# Altium PCB Thunderscope_Rev4.1.PCBDOC (part 7 of 7)
Units mm, origin at the board's own origin, x right, y up, seen from the top; angles counter-clockwise.
Board outline 119 x 103.6 mm, 6 copper layers (Top Layer, Int1 (GND), Int2 (Sign), Int3 (Sign), Int4 (GND), Bottom Layer), stack 1.49 mm thick; 657 components, 383 nets, 2206 pads, 1358 vias.
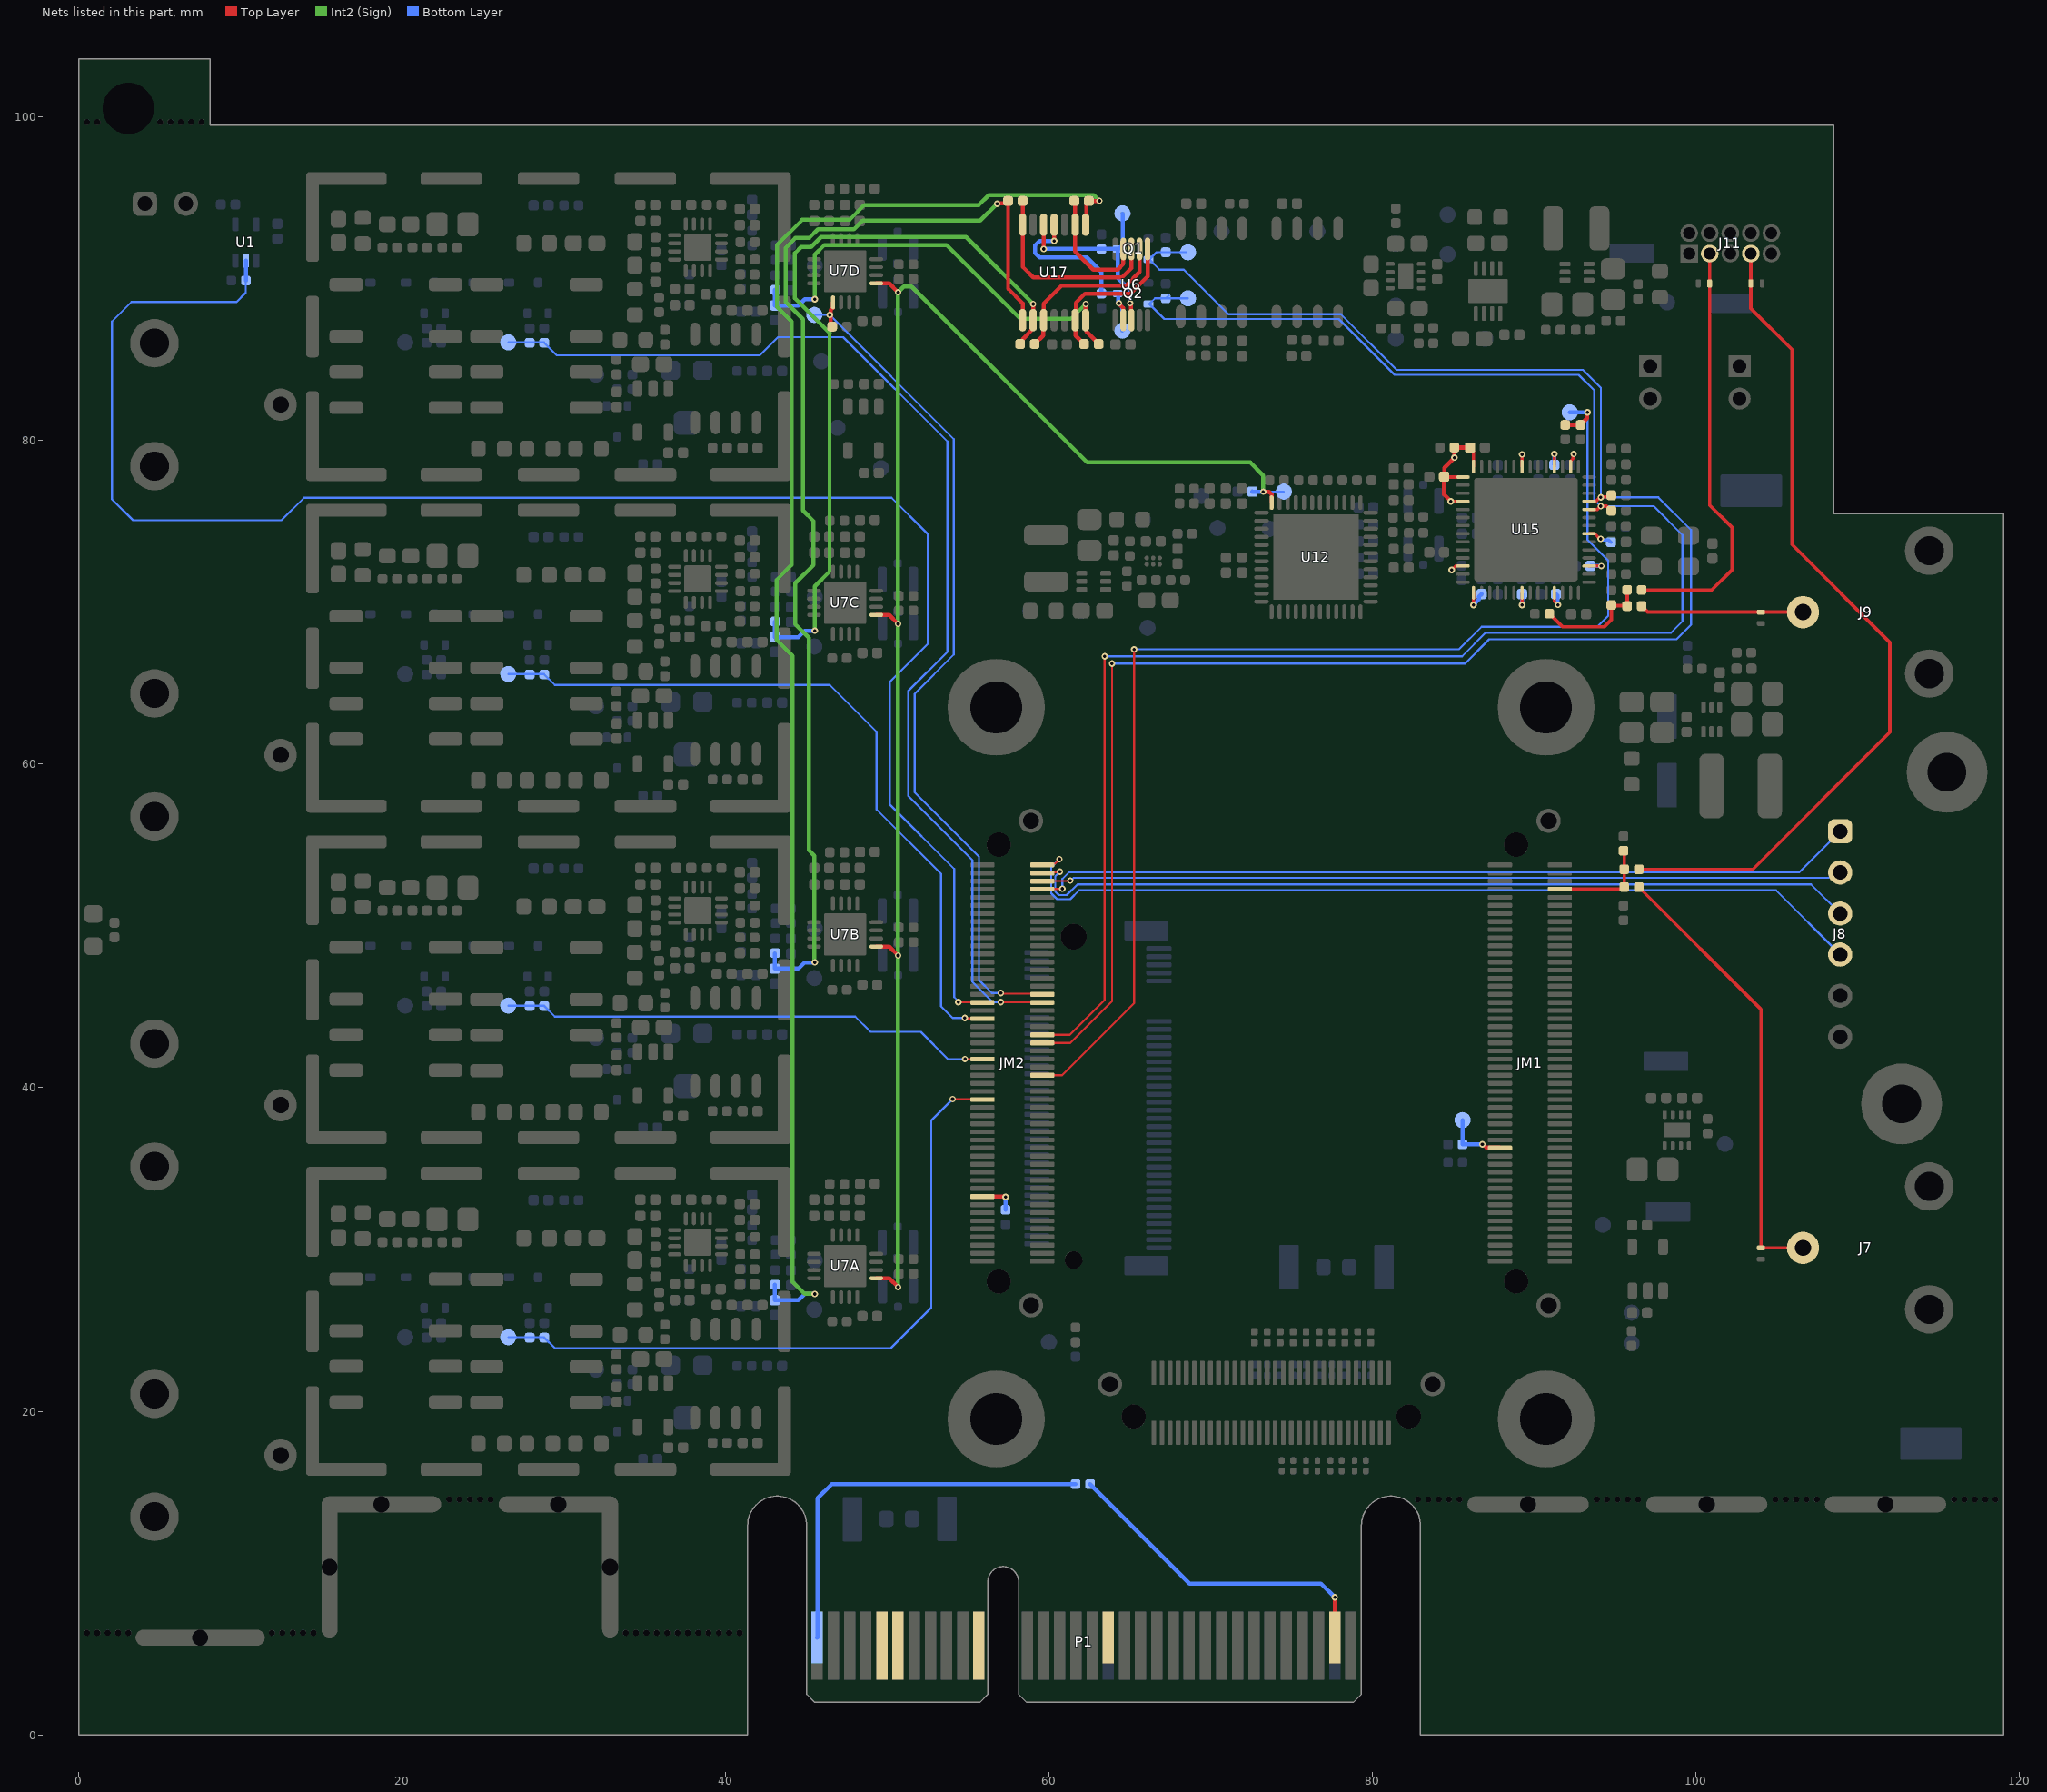
[diagram p11: the nets of this part, all layers, seen from the top]

## Via types
v1: diameter 0.406, hole 0.203, Top Layer to Bottom Layer, tented both sides, 1358 vias

## Nets (pads, with @x,y where several pads share a name; then routed paths per layer and width w, separated by ;. In a path a pad name is that pad's centre, name@x,y a point inside that pad or via, vN(x,y) a via of type N, cw(c..) or ccw(c..) an arc to the next point about the centre after c; other vN are vias at no path point) (continued)
PGA_CSn_4: JM2.68 R51D.1 TP24D.1 U7D.9 | length 53.8
  Top Layer w0.127: v1(57,45.85) 57.04,45.81 59.527,45.81 JM2.68@59.565,45.773
  Top Layer w0.25: v1(46.425,87.775) 46.488,87.712 46.488,87.162 R51D.1@46.6,87.05 ; v1@46.442,87.775 46.488,87.821 46.488,88.08 46.625,88.217 U7D.9@46.625,88.55
  Bottom Layer w0.127: TP24D.1@45.475,87.775 v1(46.425,87.775) 54.1,80.1 54.1,66.775 51.675,64.35 51.675,58.25 55.65,54.275 55.65,46.65 56.45,45.85 v1(57,45.85)
PGOOD: JM1.29 R101.1 TP2.1 | length 3.9
  Top Layer w0.254: v1(86.775,36.5) 86.816,36.5 87.023,36.294 87.844,36.294 JM1.29@87.867,36.271
  Bottom Layer w0.254: TP2.1@85.55,38 R101.1@85.55,36.5 v1(86.775,36.5)
PLL_RSTn: JM2.48 R28.2 R89.1 TP44.1 | length 75.7
  Top Layer w0.127: JM2.48@59.567,40.771 60.796,40.771 65.25,45.225 v1(65.25,67.1)
  Top Layer w0.254: R89.1@91.9,80.975 R28.2@92.85,80.975 92.85,80.987 93.246,81.383 93.246,81.721 v1(93.275,81.75)
  Bottom Layer w0.127: v1(65.25,67.1) 85.325,67.1 86.725,68.5 93.875,68.5 94.55,69.175 94.55,72.6 93.275,73.875 v1(93.275,81.75)
  Bottom Layer w0.254: TP44.1@92.175,81.75 v1(93.275,81.75)
PROBE_COMP: JM2.65 R2.2 U1.2 | length 107.6
  Top Layer w0.127: v1(54.375,45.3) 54.39,45.285 JM2.65@55.877,45.285
  Bottom Layer w0.127: R2.2@10.325,89.9 10.325,89.15 9.75,88.575 3.25,88.575 2.05,87.375 2.05,76.375 3.35,75.075 12.525,75.075 13.925,76.475 50.244,76.475 52.475,74.244 52.475,67.425 50.15,65.1 50.15,57.5 54.125,53.525 54.125,45.607 54.375,45.357 v1(54.375,45.3)
  Bottom Layer w0.254: R2.2@10.325,89.9 U1.2@10.325,91.125
PRSNT1#: P1.A1 R86.1 | length 25
  Bottom Layer w0.254: P1.A1@45.637,6.012 P1.A1@45.65,6 45.675,6.025 45.675,14.625 46.55,15.5 R86.1@61.625,15.5
PRSNT2#_1: P1.B17
PRSNT2#_4: P1.B31 R86.2 | length 20.5
  Top Layer w0.254: P1.B31@77.65,6 v1(77.65,8.5)
  Bottom Layer w0.254: R86.2@62.525,15.5 68.675,9.35 76.8,9.35 v1(77.65,8.5)
REFINOUT: C96.2 R88.2 R106.2 R107.2 | length 7.2
  Top Layer w0.213: R88.2@90.925,69.3 91.725,68.5 94.325,68.5 94.75,68.925 94.75,69.84 94.783,69.808 95.693,69.808 R106.2@95.725,69.775 R107.2@95.725,70.775
REFINOUT1: D5.1 J9.1 R106.1 | length 10.1
  Top Layer w0.213: R106.1@96.625,69.775 97,69.4 J9.1@106.6,69.4
REFINOUT2: D6.1 J11.3 R107.1 | length 26
  Top Layer w0.213: R107.1@96.625,70.775 100.975,70.775 102.225,72.025 102.225,74.625 100.835,76.015 100.835,89.725 J11.3@100.835,91.33
RESIN: JM2.17 R66.1 | length 2.2
  Top Layer w0.254: JM2.17@55.867,33.271 57.279,33.271 v1(57.3,33.25)
  Bottom Layer w0.254: R66.1@57.3,32.45 v1(57.3,33.25)
SCL: JM2.58 Q2.3 R21.1 R90.1 TP43.1 U15.24 | length 115.2
  Top Layer w0.127: JM2.58@59.567,43.271 61.271,43.271 63.425,45.425 v1(63.425,66.675)
  Top Layer w0.2: U15.24@93.375,75.75 93.88,75.75 94.08,75.95 v1(94.1,75.95) 94.448,75.95 94.723,75.675 R90.1@94.75,75.675
  Bottom Layer w0.127: v1(63.425,66.675) 85.525,66.675 86.975,68.125 98.45,68.125 99.15,68.825 99.15,74.175 97.375,75.95 v1(94.1,75.95) 94.093,75.95 93.7,76.343 93.7,83.109 92.734,84.075 86.975,84.075 81.351,84.075 77.901,87.525 67.115,87.525 Q2.3@66.19,88.45 ; Q2.3@66.125,88.45 Q2.3@66.19,88.45 ; R21.1@67.375,88.975 R21.1@67.2,88.8 ; TP43.1@68.575,88.8 R21.1@67.2,88.8 ; Q2.3@66.19,88.45 66.54,88.8 R21.1@67.2,88.8
SCL_5V: Q2.1 R23.1 TP20.1 U6.2 U17.4 | length 13.3
  Top Layer w0.254: v1(60.3,92.35) U17.4@60.3,93.35 ; v1(64.3,88.5) 64.3,88.459 64.557,88.202 64.557,87.468 U6.2@64.575,87.45
  Bottom Layer w0.254: v1(60.3,92.35) 59.4,92.35 59.125,92.075 59.125,91.6 59.4,91.325 62.325,91.325 63.225,90.425 R23.1@63.225,89.1 64.1,89.1 64.29,89.1 64.271,89.081 64.271,88.529 v1(64.3,88.5) 64.3,88.459 64.525,88.234 TP20.1@64.525,86.8
SDA: JM2.56 Q1.3 R20.1 R91.1 TP42.1 U15.25 | length 117.5
  Top Layer w0.127: JM2.56@59.567,42.771 61.296,42.771 63.875,45.35 v1(63.875,66.225)
  Top Layer w0.2: U15.25@93.375,76.25 93.792,76.25 94.002,76.461 94.061,76.461 v1(94.1,76.5) ; v1@94.141,76.5 v1(94.1,76.5) ; R91.1@94.629,76.504 R91.1@94.663,76.537 ; R91.1@94.713,76.537 R91.1@94.663,76.537 ; R91.1@94.75,76.625 R91.1@94.663,76.537 ; v1(94.1,76.5) 94.138,76.537 R91.1@94.663,76.537
  Bottom Layer w0.127: v1(63.875,66.225) 85.7,66.225 87.2,67.725 98.775,67.725 99.675,68.625 99.675,74.475 97.65,76.5 v1(94.1,76.5) 94.1,83.275 93,84.375 81.475,84.375 78.025,87.825 71.075,87.825 68.325,90.575 66.815,90.575 Q1.3@66.19,91.2 ; Q1.3@66.125,91.2 Q1.3@66.19,91.2 ; TP42.1@68.475,91.65 R20.1@67.2,91.65 66.64,91.65 Q1.3@66.19,91.2
SDA_5V: Q1.1 R22.1 TP21.1 U6.3 U17.5 | length 13.2
  Top Layer w0.254: v1(59.65,91.85) U17.5@59.65,93.35 ; v1(65,88.5) 65,88.459 65.057,88.402 65.057,87.468 U6.3@65.075,87.45
  Bottom Layer w0.254: v1(59.65,91.85) R22.1@63.225,91.85 Q1.1@64.225,91.85 ; TP21.1@64.525,94.025 64.532,94.018 64.532,92.092 64.29,91.85 Q1.1@64.225,91.85 ; v1(65,88.5) 65,89.3 64.9,89.4 64.225,90.075 Q1.1@64.225,91.85
SMCLK: P1.B5
SMDAT: P1.B6
SYNC: JM1.94 R108.2 R109.2 R110.2 | length 6.3
  Top Layer w0.213: JM1.94@91.567,52.271 95.421,52.271 R108.2@95.55,52.4 95.55,54.6 R110.2@95.5,54.65
SYNC1: D4.1 J7.1 R108.1 | length 28
  Top Layer w0.213: R108.1@96.45,52.4 104,44.85 D4.1@104,30.1 J7.1@106.6,30.1
SYNC2: D7.1 J11.7 R109.1 | length 52
  Top Layer w0.213: R109.1@96.45,53.5 103.5,53.5 111.975,61.975 111.975,67.525 105.925,73.575 105.925,85.625 103.375,88.175 D7.1@103.375,89.725 J11.7@103.375,91.33
TCK: J8.4 JM2.100 | length 54.3
  Top Layer w0.127: JM2.100@59.567,53.771 59.646,53.85 60.35,53.85 v1(60.625,54.125)
  Bottom Layer w0.127: v1(60.625,54.125) 60.121,53.621 60.121,52.02 60.488,51.652 61.296,51.652 61.843,52.2 104.93,52.2 J8.4@108.9,48.23
TDI: J8.2 JM2.96 | length 49.6
  Top Layer w0.127: JM2.96@59.567,52.771 59.582,52.785 61.285,52.785 v1(61.3,52.8)
  Bottom Layer w0.127: v1(61.3,52.8) 61.339,52.8 61.514,52.975 108.193,52.975 108.528,53.31 J8.2@108.9,53.31
TDO: J8.3 JM2.98 | length 52.1
  Top Layer w0.127: JM2.98@59.567,53.271 59.607,53.31 60.61,53.31 v1(60.65,53.35)
  Bottom Layer w0.127: v1(60.65,53.35) 60.375,53.075 60.375,52.125 60.594,51.906 61.072,51.906 61.741,52.575 107.095,52.575 J8.3@108.9,50.77
TERM_1: JM2.41 R48A.2 R50A.2 TP23A.1 | length 42.8
  Top Layer w0.127: v1(54.025,39.3) 54.04,39.285 JM2.41@55.877,39.285
  Bottom Layer w0.127: TP23A.1@26.55,24.575 27.875,24.575 R48A.2@28.775,24.575 ; R48A.2@28.775,24.55 29.425,23.9 50.2,23.9 52.7,26.4 52.7,37.975 v1(54.025,39.3)
TERM_2: JM2.51 R48B.2 R50B.2 TP23B.1 | length 30.6
  Top Layer w0.127: v1@54.789,41.773 JM2.51@55.831,41.773
  Bottom Layer w0.127: TP23B.1@26.55,45.075 27.875,45.075 R48B.2@28.775,45.075 ; R48B.2@28.775,45.05 29.425,44.4 48,44.4 48.95,43.45 52.05,43.45 53.725,41.775 v1(54.787,41.775)
TERM_3: JM2.61 R48C.2 R50C.2 TP23C.1 | length 45.7
  Top Layer w0.127: v1(54.775,44.308) 54.793,44.289 55.848,44.289 JM2.61@55.865,44.273
  Bottom Layer w0.127: TP23C.1@26.55,65.575 27.875,65.575 R48C.2@28.775,65.575 ; R48C.2@28.775,65.55 29.425,64.9 46.425,64.9 49.325,62 49.325,57.2 53.3,53.225 53.3,45.025 54.017,44.308 v1(54.775,44.308)
TERM_4: JM2.66 R48D.2 R50D.2 TP23D.1 | length 71.5
  Top Layer w0.127: v1(57,45.3) 57.015,45.285 59.552,45.285 JM2.66@59.565,45.273
  Bottom Layer w0.127: TP23D.1@26.55,86.075 R48D.2@28.775,86.075 ; R48D.2@28.775,86.05 29.55,85.275 42.1,85.275 43.225,86.4 47.25,86.4 53.7,79.95 53.7,66.941 51.275,64.516 51.275,58.05 55.25,54.075 55.25,46.55 56.5,45.3 v1(57,45.3)
TEST: R111.2 U15.21 | length 1.6
  Top Layer w0.2: U15.21@93.375,74.25 93.72,74.25 94.039,73.931 v1(94.09,73.931)
  Bottom Layer w0.2: v1(94.09,73.931) 94.146,73.931 94.23,73.847 94.603,73.847 R111.2@94.725,73.725
TMS: J8.1 JM2.94 | length 51.2
  Top Layer w0.127: JM2.94@59.567,52.271 59.582,52.285 60.785,52.285 v1(60.8,52.3)
  Bottom Layer w0.127: v1(60.8,52.3) 60.8,52.9 61.225,53.325 106.375,53.325 J8.1@108.9,55.85
TRIM1: C131A.1 FB7A.1 R15.1 U17.1 | length 94.1
  Top Layer w0.25: U17.1@62.25,93.35 62.288,93.388 62.288,94.738 62.375,94.825 v1(63.1,94.825)
  Int2 (Sign) w0.254: v1(45.5,27.25) 44.878,27.25 44.125,28.003 44.125,66.7 43.15,67.675 43.15,71.4 44.075,72.325 44.075,87.375 43.175,88.275 43.175,92.1 44.725,93.65 47.65,93.65 48.55,94.55 55.625,94.55 56.25,95.175 62.75,95.175 v1(63.1,94.825)
  Bottom Layer w0.254: C131A.1@43.025,26.86 44.485,26.86 44.875,27.25 v1(45.5,27.25) ; C131A.1@43.038,26.872 FB7A.1@43.038,27.812
TRIM2: C131B.1 FB7B.1 R17.1 U17.8 | length 72.1
  Top Layer w0.25: v1(56.775,94.65) 56.817,94.65 56.849,94.682 57.307,94.682 R17.1@57.45,94.825 57.45,89.4 58.35,88.5 U17.8@58.35,87.45
  Int2 (Sign) w0.254: v1(45.5,47.75) 45.471,47.779 45.471,54.346 45.125,54.692 45.125,67.825 44.3,68.65 44.3,71.186 45.425,72.311 45.425,75.025 44.775,75.675 44.775,87.5 43.7,88.575 43.7,91.925 44.3,92.525 45.15,92.525 45.7,93.075 47.925,93.075 48.45,93.6 55.725,93.6 v1(56.775,94.65)
  Bottom Layer w0.254: C131B.1@43.025,47.36 44.485,47.36 44.875,47.75 v1(45.5,47.75) ; C131B.1@43.038,47.372 FB7B.1@43.038,48.312
TRIM3: C131C.1 FB7C.1 R18.1 U17.9 | length 47.9
  Top Layer w0.25: R18.1@58.188,85.988 R18.1@58.2,85.975 58.36,86.135 58.36,86.28 59,86.921 v1(59,88.45)
  Int2 (Sign) w0.25: v1(45.5,68.25) 45.5,71 46.413,71.913 46.413,86.663
  Int2 (Sign) w0.254: 46.413,86.663 44.275,88.8 44.275,91.597 44.661,91.982 45.282,91.982 45.9,92.6 54.85,92.6 v1(59,88.45)
  Bottom Layer w0.254: C131C.1@43.025,67.86 44.485,67.86 44.875,68.25 v1(45.5,68.25) ; C131C.1@43.038,67.873 FB7C.1@43.038,68.813
TRIM4: C131D.1 FB7D.1 R19.1 U17.14 | length 28.5
  Top Layer w0.25: v1(62.25,88.45) U17.14@62.25,87.45 62.288,87.412 62.288,86.75 63.05,85.989 R19.1@63.05,85.975 R19.1@63.075,85.95
  Int2 (Sign) w0.254: v1(45.5,88.75) 45.5,91.5 46.1,92.1 53.65,92.1 58.225,87.525 60.35,87.525 61.325,87.525 v1(62.25,88.45)
  Bottom Layer w0.254: FB7D.1@43.05,89.325 43.038,89.313 43.038,88.373 C131D.1@43.025,88.36 44.485,88.36 44.875,88.75 v1(45.5,88.75)
VCM: C134.2 TP16.1 U7A.13 U7B.13 U7C.13 U7D.13 U12.48 | length 99.4
  Top Layer w0.254: U7A.13@49.3,28.225 50.1,28.225 v1(50.65,27.675) ; U7B.13@49.3,48.725 50.1,48.725 v1(50.65,48.175) ; U7C.13@49.3,69.225 50.1,69.225 v1(50.65,68.675) ; U7D.13@49.3,89.725 50.1,89.725 v1(50.65,89.175) ; v1(73.229,76.846) 73.584,76.846 73.743,76.687 U12.48@73.743,76.175
  Int2 (Sign) w0.254: v1(50.65,27.675) v1(50.65,48.175) v1(50.65,68.675) v1(50.65,89.175) 51,89.525 51.475,89.525 62.35,78.65 72.425,78.65 73.229,77.846 v1(73.229,76.846)
  Bottom Layer w0.127: v1(73.229,76.846) 73.231,76.848 74.498,76.848 TP16.1@74.5,76.85
  Bottom Layer w0.254: C134.2@72.56,76.85 72.562,76.848 73.227,76.848 v1(73.229,76.846)
VDDH: C88.1 C90.1 C93.1 C94.1 C95.1 C112.1 C113.1 FB5.2 U15.1 U15.7 U15.11 U15.17 U15.30 U15.32 U15.36 U15.42 U15.43 U15.46 U15.54 | length 17.8
  Top Layer w0.2: C95.1@84.41,77.775 84.435,77.75 U15.43@85.575,77.75 ; v1(84.82,76.25) U15.46@85.575,76.25 ; v1(84.875,72) 85.125,72.25 U15.54@85.575,72.25 ; C112.1@86.015,79.575 86.015,79.543 86.225,79.333 U15.42@86.225,78.4 ; v1(86.225,69.845) U15.1@86.225,70.6 ; v1(89.225,69.845) U15.7@89.225,70.6 ; U15.36@89.225,78.4 v1(89.225,79.155) ; U15.11@91.225,70.6 91.225,70.075 v1(91.45,69.85) ; U15.32@91.225,78.4 v1(91.225,79.175) ; U15.30@92.225,78.4 92.225,78.725 92.386,78.886 92.386,79.136 v1(92.425,79.175) ; U15.17@93.375,72.25 v1(94.13,72.25)
  Top Layer w0.254: v1(84.82,76.25) 84.82,76.257 84.41,76.666 C95.1@84.41,77.775 84.427,77.792 84.427,78.327 v1(85.05,78.95) FB5.2@85.05,79.575 85.983,79.575 C112.1@86.015,79.543
  Bottom Layer w0.254: v1(86.225,69.845) 86.552,70.172 86.552,70.342 C90.1@86.725,70.515 ; v1(89.225,69.845) C113.1@89.225,70.515 ; C88.1@91.225,78.51 v1(91.225,79.175) ; C93.1@91.325,70.515 91.421,70.419 91.421,69.879 v1(91.45,69.85) ; C94.1@93.46,72.25 v1(94.13,72.25)
VOUT1: R15.2 U6.9 U17.2 | length 7.7
  Top Layer w0.254: R15.2@61.475,94.825 61.6,94.7 U17.2@61.6,93.35 61.6,91.7 62.725,90.575 64.225,90.575 64.575,90.925 U6.9@64.575,91.85
VOUT2: R17.2 U6.8 U17.7 | length 12.5
  Top Layer w0.254: R17.2@58.35,94.825 U17.7@58.35,93.35 58.35,90.75 59,90.1 64.5,90.1 65.069,90.669 65.069,91.819 65.057,91.832 U6.8@65.075,91.85
VOUT3: R18.2 U6.7 U17.10 | length 10.9
  Top Layer w0.254: R18.2@59.1,85.975 59.625,86.5 59.625,87.425 U17.10@59.65,87.45 59.65,88.475 60.775,89.6 64.75,89.6 65.575,90.425 U6.7@65.575,91.85
VOUT4: R19.2 U6.6 U17.13 | length 9.6
  Top Layer w0.254: U17.13@61.6,87.45 U17.13@61.625,87.425 ; R19.2@62.15,85.975 61.625,86.5 U17.13@61.625,87.425 ; U6.6@66.075,91.85 66.075,90.15 65,89.075 62.2,89.075 61.638,88.513 61.638,87.438 U17.13@61.625,87.425
WAKE#: P1.B11
pads on no net: J10.1 J10.7 J10.9 J10.11 J10.21 J10.23 J10.25 J10.27 J10.29 J10.31 J10.33 J10.35 J10.37 J10.39 J10.41 J10.43 J10.45 J10.47 J10.55 J10.57 J10.67 J10.68 J10.75 J10.78 J10.79 JM1. JM1.3 JM1.5 JM1.8 JM1.9 JM1.11 JM1.13 JM1.15 JM1.17 JM1.18 JM1.20 JM1.21 JM1.22 JM1.23 JM1.24 JM1.26 JM1.28 JM1.31 JM1.32 JM1.34 JM1.35 JM1.36 JM1.37 JM1.38 JM1.39 JM1.40 JM1.41 JM1.42 JM1.44 JM1.45 JM1.46 JM1.47 JM1.48 JM1.49 JM1.50 JM1.51 JM1.52 JM1.56 JM1.58 JM1.66 JM1.68 JM1.70 JM1.72 JM1.75 JM1.77 JM1.80 JM1.82 JM1.84 JM1.86 JM1.88 JM1.91 JM1.92 JM1.98 JM1.100 JM2. JM2.6 JM2.9 JM2.11 JM2.12 JM2.13 JM2.14 JM2.15 JM2.16 JM2.18 JM2.20 JM2.21 JM2.22 JM2.23 JM2.24 JM2.25 JM2.26 JM2.27 JM2.28 JM2.30 JM2.32 JM2.34 JM2.36 JM2.38 JM2.67 JM2.71 JM2.72 JM2.73 JM2.74 JM2.75 JM2.76 JM2.77 JM2.78 JM2.81 JM2.82 JM2.83 JM2.84 JM2.85 JM2.86 JM2.87 JM2.88 JM2.90 JM2.91 JM2.93 JM2.95 JM2.97 JM2.99 JM3. JM3.1 JM3.2 JM3.3 JM3.4 JM3.31 JM3.33 JM3.37 JM3.38 JM3.39 JM3.40 JM3.41 JM3.42 JM3.43 JM3.44 JM3.47 JM3.48 JM3.49 JM3.50 JM3.51 JM3.52 JM3.53 JM3.54 JM3.55 JM3.56 JM3.57 JM3.58 JM3.59 P1.A19 P1.A32 P1.B12 P1.B30 R124A.1 R124B.1 R124C.1 R124D.1 U1.1 U5.1 U5.5 U5.8 U6.5 U7A.1 U7A.2 U7A.16 U7B.1 U7B.2 U7B.16 U7C.1 U7C.2 U7C.16 U7D.1 U7D.2 U7D.16 U8.1 U8.5 U8.8 U9A.9 U9A.13 U9A.16 U9B.9 U9B.13 U9B.16 U9C.9 U9C.13 U9C.16 U9D.9 U9D.13 U9D.16 U11.6 U15.2 U15.3 U15.5 U15.6 U15.9 U15.12 U15.13 U15.20 U15.34 U15.35 U15.37 U15.38 U15.40 U15.41 U15.44 U15.45 U15.52 U15.53 U15.55 U15.56 U16.4 U18A.1 U18A.5 U18A.8 U18B.1 U18B.5 U18B.8 U18C.1 U18C.5 U18C.8 U18D.1 U18D.5 U18D.8 U20.4

## Polygon pours and split planes (outlines as drawn)
GND on Top Layer "GND_L05_P-001" (solid, remove dead copper, pour order 80): 0,0 0,104 119,104 119,0
+2V5 on Top Layer "+2V5_L01_P-001" (solid, pour order 71): 95.5,29.5 96.5,29.5 96.5,31.925 90.8,31.925 90.8,31.1 95.5,31.1
+VUSB on Top Layer "+VUSB_L01_P-001" (solid, pour order 75): 97.2,89.325 97.2,86.225 95.8,86.225 95.8,81.225 98.5,81.225 98.5,89.325
NetC2_2 on Top Layer "NetC2_2_IN_L01_P-001" (solid, pour order 78): 93.025,94.485 98.5,94.485 98.5,89.6 97.2,89.6 97.2,90 93.025,90
+5V2 on Top Layer "+5V2_L01_P-001" (solid, pour order 79): 90.2,87.675 90.2,95.725 80.9,95.725 80.9,93 89.225,93 89.225,87.675
+3V3 on Top Layer "+3V3_L01_P-001" (solid, pour order 70): 98.885,39.05 97.385,39.05 97.385,40.85 98.885,40.85
+3V3_IN on Top Layer "+3V3_L01_P-001" (solid, pour order 77): 97.5,35.7 99,35.7 99,33.1 97.5,33.1
+3V3_IN on Top Layer "+3V3_L01_P-002" (solid, pour order 53): 56.95,31.5 58.45,31.5 58.45,29.025 56.95,29.025
+3V3_M2 on Top Layer "+3V3_M2_L01_P-001" (solid, pour order 74): 67.25,48.875 68.5,48.875 68.5,31.875 77.75,31.875 77.75,27 67.25,27
GND on Bottom Layer "GND_L05_P-001" (solid, remove dead copper, pour order 104): 0,0 0,104 119,104 119,0
-VFFED on Bottom Layer "-VFFEA_L06_P-001" (solid, pour order 54): 36.9,95.5 41,95.5 41,91.4 39.3,91.4 39.3,93.3 36.9,93.3 36.9,89.609 38.7,89.609 38.7,88.1 30.6,88.1 30.6,95.5
-VFFEC on Bottom Layer "-VFFEC_L06_P-001" (solid, pour order 69): 36.9,75 41,75 41,70.9 39.3,70.9 39.3,72.8 36.9,72.8 36.9,69.109 38.7,69.109 38.7,67.6 30.6,67.6 30.6,75
-VFFEB on Bottom Layer "-VFFEB_L06_P-001" (solid, pour order 101): 36.9,54.5 41,54.5 41,50.4 39.3,50.4 39.3,52.3 36.9,52.3 36.9,48.609 38.7,48.609 38.7,47.1 30.6,47.1 30.6,54.5
-VFFEA on Bottom Layer "-VFFEA_L06_P-001" (solid, pour order 102): 36.9,34 41,34 41,29.9 39.3,29.9 39.3,31.8 36.9,31.8 36.9,28.109 38.7,28.109 38.7,26.6 30.6,26.6 30.6,34
+3V3_PCIe on Bottom Layer "+3V3_PCIe_L01_P-001" (solid, pour order 103): 55,7.75 52.3,7.75 52.3,11.925 50.725,11.925 50.725,14.75 52.3,14.75 55,14.75
GND on Int2 (Sign) "GND_L05_P-001" (solid, remove dead copper, pour order 95): 0,0 0,104 119,104 119,0
+12V_PCIe on Int2 (Sign) "+12V_PCIe_L03_P-001" (solid, pour order 82): 46,7.5 46,19 53,26 53,34 55.25,36.25 55.25,51.25 64.5,60.5 98.5,60.5 98.5,53 63.5,53 60,49.5 60,34 56,30 56,24 49.5,17.5 49.5,7.5
+5V2 on Int2 (Sign) "+5V2_L03_P-001" (solid, pour order 73): 105.375,61.6 110.325,61.6 110.325,95.575 89.275,95.575 89.275,85.975 105.375,85.975
+1V8APLL on Int2 (Sign) "+1V8APLL_L01_P-001" (solid, pour order 92): 81.75,68.25 101.775,68.25 101.775,79.65 81.75,79.65
+1V8A on Int2 (Sign) "+1V8A_L01_P-001" (solid, pour order 94): 68.5,76.425 80.25,76.425 80.25,79.65 81.6,79.65 81.6,72.875 72,72.875 72,73.525 68.5,73.525
+1V8D on Int2 (Sign) "+1V8D_L01_P-001" (solid, pour order 93): 67.05,76.425 67.05,70.125 81.6,70.125 81.6,72.875 72,72.875 72,73.525 68.5,73.525 68.5,76.425
NetC60_2 on Int2 (Sign) "NetC60_2_L01_P-001" (solid, pour order 87): 69.25,78.125 64.475,78.125 64.475,68.25 85.875,68.25 85.875,71.65 81.75,71.65 81.75,70.125 67.05,70.125 67.05,76.575 69.25,76.575
+3V3 on Int3 (Sign) "+3V3_L04_P-001" (solid, remove dead copper, pour order 100): 0,0 0,104 119,104 119,0
+3V3_IN on Int3 (Sign) "+3V3_IN_L04_P-001" (solid, pour order 99): 43.2,14.9 43.2,2 99.2,2 99.2,35 56.5,35 56.5,28 56.5,14.9
+5V on Int3 (Sign) "+4V8_L04_P-001" (solid, remove dead copper, pour order 97): 48.025,87.35 50.7,87.35 50.7,85.1 89.8,85.1 89.8,96.4 81.7,96.4 41.3,96.4 41.3,21.9 48.025,21.9
-VFFEA on Int3 (Sign) "+VFFEA_L03_P-001" (solid, pour order 84): 34.7,35.8 34.7,16.9 32.6,16.9 30.5,19 30.5,35.8
+VFFEA on Int3 (Sign) "+VFFEA_L03_P-001" (solid, remove dead copper, pour order 90): 41,35.8 41,16.9 34.7,16.9 34.7,35.8
-5V on Int3 (Sign) "-4V8_L04_P-001" (solid, remove dead copper, pour order 96): 30.4,96.2 90.1,96.2 90.1,87.1 90.1,84.8 81.7,84.8 81.7,88 72.1,88 72.1,82.2 93.8,82.2 93.8,99.5 25.1,99.5 25.1,31.6 30.4,31.6
-VFFEC on Int3 (Sign) "+VFFEA_L03_P-001" (solid, pour order 72): 34.7,76.8 34.7,56.3 30.5,56.3 30.5,76.8
-VFFEB on Int3 (Sign) "+VFFEA_L03_P-001" (solid, pour order 81): 34.7,56.3 34.7,35.8 30.5,35.8 30.5,56.3
-VFFED on Int3 (Sign) "+VFFEA_L03_P-001" (solid, pour order 66): 34.8,95.9 34.8,76.8 30.5,76.8 30.5,95.9
+VFFED on Int3 (Sign) "+VFFED_L03_P-001" (solid, pour order 86): 40.998,95.9 40.998,76.8 34.7,76.8 34.7,95.9
+VFFEB on Int3 (Sign) "+VFFEB_L03_P-001" (solid, pour order 89): 40.998,56.3 40.998,35.8 34.7,35.8 34.7,56.3
+VFFEC on Int3 (Sign) "+VFFEC_L03_P-001" (solid, pour order 88): 40.998,76.8 40.998,56.3 34.7,56.3 34.7,76.8
+3V3_PGA on Int3 (Sign) "+3V3_PGA_L04_P-001" (solid, pour order 91): 48.1,87.2 50.5,87.2 50.5,24.9 48.1,24.9
VDDH on Int3 (Sign) "VDDH_L01_P-001" (solid, pour order 98): 84.452,79.5 94.475,79.5 94.475,69.5 84.522,69.5
GND on Int4 (GND) "GND_L05_P-001" (solid, remove dead copper, pour order 51): 0,0 0,104 119,104 119,0
GND on Int1 (GND) "GND_L05_P-001" (solid, remove dead copper, pour order 52): 0,0 0,104 119,104 119,0

## Keep-outs
Top Layer:
  region: 119,14.875 119,99 118,99 118,14.875
  rectangle: 0,97 119,99.5
  rectangle: 79.3,13.025 119,15.75
  region: 15,14.7 15.05,14.7 33.3,14.7 33.3,9.95 ccw(c33.35,9.95) 33.35,9.9 41.35,9.9 ccw(c41.35,9.95) 41.4,9.95 41.4,12.925 cw(c43.175,12.925) 44.95,12.925 ccw(c45,12.925) 45,12.875 45,15.8 15,15.8
Bottom Layer:
  region: 119,14.875 119,99 118,99 118,14.875
  rectangle: 0,97 119,99.5
  rectangle: 79.3,13.025 119,15.75
  region: 15,14.7 15.05,14.7 33.3,14.7 33.3,9.95 ccw(c33.35,9.95) 33.35,9.9 41.35,9.9 ccw(c41.35,9.95) 41.4,9.95 41.4,12.925 cw(c43.175,12.925) 44.95,12.925 ccw(c45,12.925) 45,12.875 45,15.8 15,15.8
Top Solder:
  rectangle: 33.35,6.625 41.35,9.95
Bottom Solder:
  rectangle: 33.35,6.625 41.35,9.95
KeepOutLayer:
  rectangle: 0,96 8.1,103.6
  rectangle: 33.35,6.625 41.35,9.95
  region: 81.125,15.25 81.125,0 119,0 119,15.25
  region: 0,0 0,7 16,7 16,13.75 32.35,13.75 32.35,7 41.35,7 41.35,0

## Other copper
Top Layer:
  pour cut-out: 14.85,95.8 43.225,95.8 43.225,78.3 14.85,78.3
  pour cut-out: 14.85,34.3 43.225,34.3 43.225,16.8 14.85,16.8
  pour cut-out: 14.85,54.8 43.225,54.8 43.225,37.3 14.85,37.3
  pour cut-out: 14.85,75.3 43.225,75.3 43.225,57.8 14.85,57.8
  pour cut-out: 45.125,26.725 49.625,26.725 49.625,31.225 45.125,31.225
  pour cut-out: 45.125,47.225 49.625,47.225 49.625,51.725 45.125,51.725
  pour cut-out: 45.125,67.725 49.625,67.725 49.625,72.225 45.125,72.225
  pour cut-out: 45.125,88.225 49.625,88.225 49.625,92.725 45.125,92.725
  pour cut-out: 50.419,66.24 50.419,68.825 50.144,68.825 50.144,66.24
  pour cut-out: 55.993,82.966 55.993,84.887 55.72,84.887 55.718,84.886 55.718,82.966
  pour cut-out: 80.6,48.525 80.6,47 87.075,47 87.075,48.525
  pour cut-out: 86.787,50.975 86.787,51.475 87.075,51.475 87.075,51.925 86.787,51.925 86.45,51.925 86.45,50.975
  pour cut-out: 74.425,9.967 75.125,9.967 75.125,10.075 74.425,10.075
  pour cut-out: 72.8,69.1 80.2,69.1 80.2,76.5 72.8,76.5
  pour cut-out: 85.475,70.5 93.475,70.5 93.475,78.5 85.475,78.5
  pour cut-out: 65.575,73.2 67.275,73.2 67.275,71.9 65.575,71.9
  pour cut-out: 45,7.6 79.3,7.6 79.3,2 45,2
Int1 (GND):
  pour cut-out: 45,7.6 79.3,7.6 79.3,2 45,2
Int2 (Sign):
  pour cut-out: 45,7.6 79.3,7.6 79.3,2 45,2
Int3 (Sign):
  pour cut-out: 45,7.6 79.3,7.6 79.3,2 45,2
Int4 (GND):
  pour cut-out: 45,7.6 79.3,7.6 79.3,2 45,2
Bottom Layer:
  pour cut-out: 45,7.6 79.3,7.6 79.3,2 45.05,2 45,2

## Silkscreen, mask and mechanical layers (free items; w line width, h text height)
Top Overlay:
  lines w0.1: 0,6.5 15,6.5 15,14.75 33.35,14.75 33.35,6.5 41.35,6.5 ; 0,99.5 7.65,99.525 ; 81.175,14.75 119,14.75
  lines w0.25: 53,15.695 94.45,15.695 94.45,67.245 53,67.245 53,15.695
  text "COMP" at 8.35,95.348 h1.2
  text "GND" at 2.74,92.123 h1.2
  text "CLK IN/OUT" at 110.111,62.725 h1.5
  text "TMS" at 115.043,54.288 h1.2
  text "TDI" at 115.065,51.748 h1.2
  text "TDO" at 115.006,49.208 h1.2
  text "TCK" at 115.019,46.668 h1.2
  text "GND" at 115.005,44.128 h1.2
  text "VREF" at 114.466,41.588 h1.2
  text "SYNC" at 110.2,23.691 h1.5
Bottom Overlay:
  lines w0.5: 113.625,49.5 119,49.5
  text "SDA_5V" at 63.611,93.721 h1.2
  text "+5V2" at 87.576,93.623 h1.2
  text "CH4_P" at 51.975,93.396 h1.2
  text "CP_IN" at 82.755,93.246 h1.2
  text "+" at 84.378,92.635 h1.2 r270
  text "SDA" at 68.223,92.535 h1.2 r270
  text "-" at 82.4,92.447 h1.2 r180
  text "TRIM4" at 44.771,91.6 h1.2 r270
  text "BST_IN" at 94.07,91.346 h1.2
  text "LDO" at 86.973,91.223 h1.2
  text "-" at 95.875,90.797 h1.2 r180
  text "-" at 84.8,90.278 h1.2
  text "+" at 102.397,90.015 h1.2 r90
  text "-VBIAS" at 76.248,88.909 h1.2 r270
  text "+VBIAS" at 70.323,88.863 h1.2 r270
  text "FE_EN" at 97.202,88.3 h1.2
  text "+VUSB" at 106.832,88.198 h1.2
  text "CP_OUT" at 85.589,88.125 h1.2
  text "+" at 81.153,87.11 h1.2 r270
  text "SCL_5V" at 63.611,86.521 h1.2
  text "SCL" at 68.223,86.418 h1.2 r270
  text "CH4_N" at 51.98,86.021 h1.2
  text "-5V" at 83.853,85.978 h1.2
  text "+5V" at 89.445,85.978 h1.2
  text "PGA_CS4" at 47.975,85.746 h1.2
  text "ATTEN4" at 19.45,85.346 h1.2
  text "TERM4" at 25.873,85.346 h1.2
  text "-" at 81.575,84.978 h1.2
  text "+" at 95.09,84.904 h1.5 r90
  text "+" at 105.885,84.904 h1.5 r270
  text "+5V" at 46.723,83.428 h1.2
  text "CPL4" at 31.191,83.346 h1.2
  text "+" at 95.09,82.904 h1.5 r90
  text "-" at 106.03,82.259 h1.5
  text "PLL / RSTn" at 91.325,81.021 h1.2
  text "LDO" at 46.054,80.316 h1.2
  text "+VUSB" at 99.984,79.392 h1.5
  text "FAN" at 105.509,79.391 h1.5
  text "+3V3_PGA" at 48.754,77.816 h1.2
  text "VCM" at 75.357,77.698 h1.2
  text "CLK_P" at 83.825,77.496 h1.2
  text "ADC_CS" at 69.171,77.47 h1.2 r270
  text "SPI_SCK" at 71.496,76.87 h1.2 r270
  text "LDO" at 66.548,76.448 h1.2
  text "+1V92" at 63.858,76.046 h1.2
  text "GND" at 104.21,74.773 h1.2
  text "SPI_SDO" at 78.38,74.321 h1.2
  text "+" at 62.203,73.735 h1.2 r270
  text "-" at 65.925,73.703 h1.2
  text "CH3_P" at 51.95,72.896 h1.2
  text "TRIM3" at 45.164,71.1 h1.2 r270
  text "-" at 61.825,70.897 h1.2 r180
  text "+" at 58.585,70.897 h1.2 r180
  text "CLK_N" at 83.825,70.271 h1.2
  text "+1V8" at 69.151,68.098 h1.2
  text "BUCK" at 63.042,67.498 h1.2
  text "+3V3" at 59.895,67.489 h1.2
  text "CH3_N" at 51.955,65.521 h1.2
  text "ATTEN3" at 19.45,64.846 h1.2
  text "TERM3" at 25.873,64.846 h1.2
  text "-" at 99.028,63.15 h1.2 r270
  text "CPL3" at 31.191,62.846 h1.2
  text "PGA_CS3" at 45.066,62.663 h1.2 r270
  text "BUCK_IN" at 96.571,60.998 h1.2 r270
  text "+" at 99.06,58.428 h1.2
  text "+12V" at 96.468,57.546 h1.2 r270
  text "CH2_P" at 51.95,52.396 h1.2
  text "TRIM2" at 44.771,50.625 h1.2 r270
  text "CH2_N" at 51.955,45.021 h1.2
  text "ATTEN2" at 19.45,44.346 h1.2
  text "TERM2" at 25.873,44.346 h1.2
  text "CPL2" at 31.191,42.346 h1.2
  text "PGA_CS2" at 44.771,42.163 h1.2 r270
  text "+3V3" at 102.195,41.298 h1.2
  text "PGOOD" at 89.292,37.673 h1.2
  text "ACQ_EN" at 106.133,36.296 h1.2
  text "+3V3_IN" at 104.021,32.096 h1.2
  text "CH1_P" at 51.958,31.896 h1.2
  text "+2V5" at 93.183,31.198 h1.2
  text "+3V3_M2" at 76.921,30.971 h1.2
  text "+3V3_IN" at 82.921,30.971 h1.2
  text "TRIM1" at 44.771,30.1 h1.2 r270
  text "-" at 95.85,27.397 h1.2 r180
  text "-" at 80.45,27.022 h1.2 r180
  text "+" at 74.997,26.99 h1.2 r90
  text "LDO" at 98.588,25.773 h1.2
  text "CH1_N" at 51.955,24.521 h1.2
  text "+3V3_IN" at 100.884,23.971 h1.2
  text "PERSTn" at 59.01,23.948 h1.2
  text "ATTEN1" at 19.45,23.846 h1.2
  text "TERM1" at 25.873,23.846 h1.2
  text "+" at 96.24,22.903 h1.2
  text "CPL1" at 31.191,21.846 h1.2
  text "PGA_CS1" at 44.771,21.663 h1.2 r270
  text "GND" at 115.31,19.573 h1.2
  text "+3V3_PCIe" at 56.209,15.471 h1.2
  text "+3V3_IN" at 50.046,15.396 h1.2
  text "-" at 47.575,11.447 h1.2 r180
  text "+" at 53.847,11.44 h1.2 r90
Top Solder:
  drawing of 61 lines, arcs and shapes, not listed
  text "NM" at 8.587,73.2 h4
  text "AM" at 8.469,67.3 h4
  text "AZ" at 1.475,24.48 h4
  text "ThunderScope Rev.4.1" at 93.279,16.95 h2
  text "MB" at 9.488,8.2 h4
Bottom Solder:
  text "Frodo" at 111.1,22 h1.5
  text "(2009-2023)" at 111.1,20 h1.5
  text "\"Forever in the Undying Lands of Our Hearts\"" at 111.1,17.071 h1.5
Board Outline:
  the board outline again, w0.1
DrillDrawing:
  text "Drilling Details." at 225.001,138.483 h1
  text ".LEGEND" at 225.25,61.352 h1

## Text inside footprints (layer, text, board x,y; h text height)
JM1: Top Overlay "2" at 92.892,29.457 h1 r270; Top Overlay "1" at 85.992,29.459 h1 r270; Top Assembly "2" at 91.292,29.457 h1 r270; Top Assembly "1" at 87.592,29.459 h1 r270
JM2: Top Overlay "1" at 53.992,29.459 h1 r270; Top Overlay "2" at 60.892,29.457 h1 r270; Top Assembly "1" at 55.592,29.459 h1 r270; Top Assembly "2" at 59.292,29.457 h1 r270
JM3: Top Overlay "1" at 80.779,16.797 h1; Top Overlay "2" at 80.782,23.697 h1; Top Assembly "2" at 80.782,22.097 h1; Top Assembly "1" at 80.779,18.397 h1